# KiCad board DecentXL-keyboard-modern.kicad_pcb (continued)
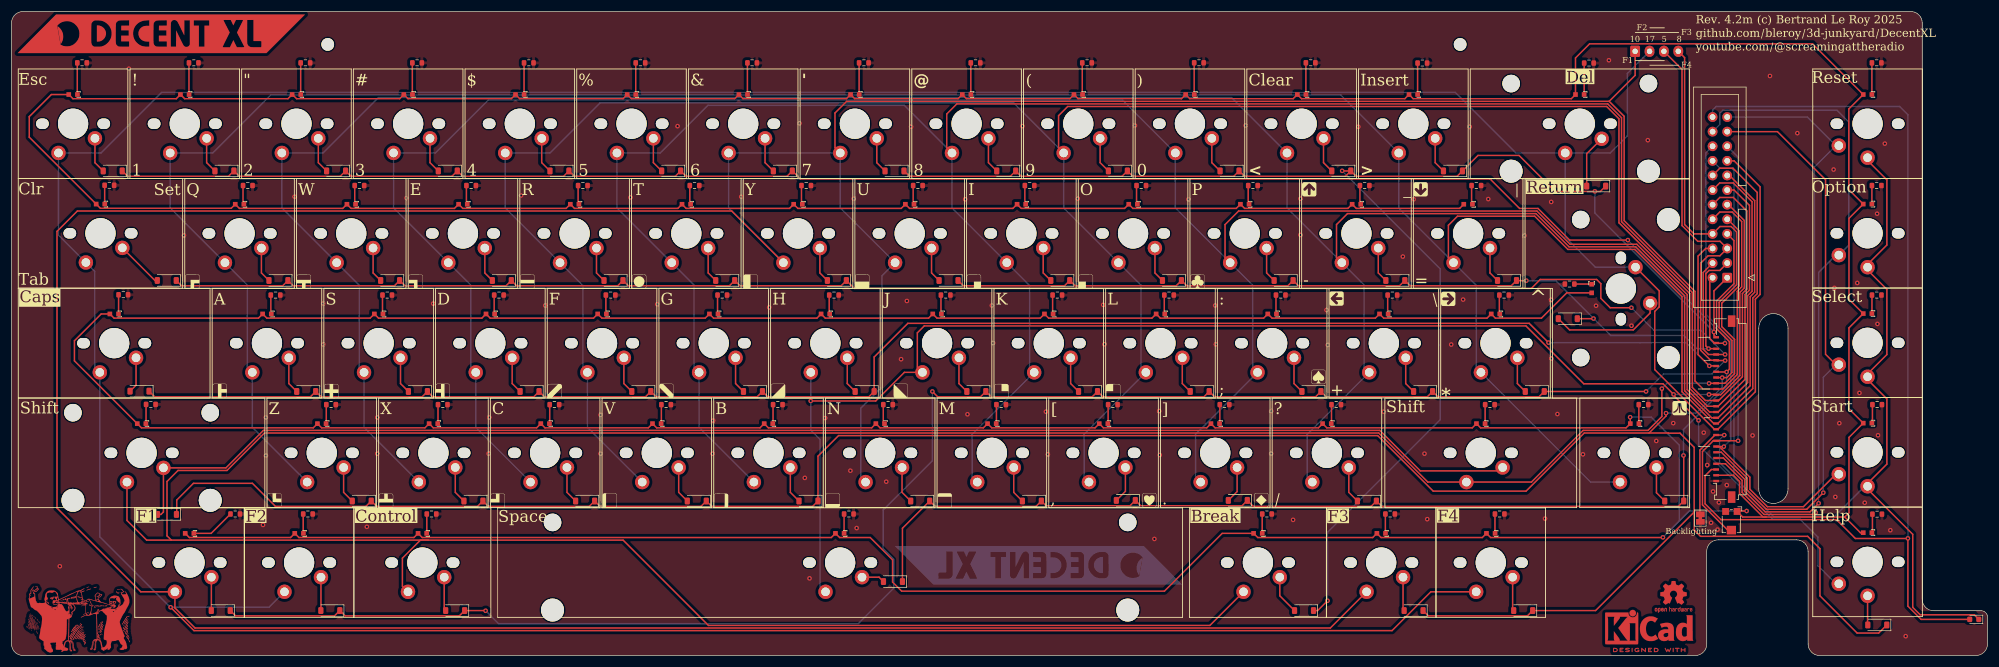
[diagram p0: board, top side]
## Nets (continued)
Net-(R18-Pad1): R18.1 SWM1.3
Net-(R19-Pad1): R19.1 SWB1.3
Net-(R20-Pad1): R20.1 SW9.3
Net-(R21-Pad1): R21.1 SW4.3
Net-(R22-Pad1): R22.1 SWO1.3
Net-(R23-Pad1): R23.1 SWR1.3
Net-(R24-Pad1): R24.1 SWL1.3
Net-(R25-Pad1): R25.1 SWF1.3
Net-(R26-Pad1): R26.1 SWComma1.3
Net-(R27-Pad1): R27.1 SWV1.3
Net-(R28-Pad1): R28.1 SW0.3
Net-(R29-Pad1): R29.1 SW3.3
Net-(R30-Pad1): R30.1 SWP1.3
Net-(R31-Pad1): R31.1 SWE1.3
Net-(R32-Pad1): R32.1 SWSemi1.3
Net-(R33-Pad1): R33.1 SWD1.3
Net-(R34-Pad1): R34.1 SWPeriod1.3
Net-(R35-Pad1): R35.1 SWC1.3
Net-(R36-Pad1): R36.1 SWLT1.3
Net-(R37-Pad1): R37.1 SW2.3
Net-(R38-Pad1): R38.1 SWDash1.3
Net-(R39-Pad1): R39.1 SWW1.3
Net-(R40-Pad1): R40.1 SWPlus1.3
Net-(R41-Pad1): R41.1 SWS1.3
Net-(R42-Pad1): R42.1 SWSlash1.3
Net-(R43-Pad1): R43.1 SWX1.3
Net-(R44-Pad1): R44.1 SWGT1.3
Net-(R45-Pad1): R45.1 SW1.3
Net-(R46-Pad1): R46.1 SWEqual1.3
Net-(R47-Pad1): R47.1 SWQ1.3
Net-(R48-Pad1): R48.1 SWStar1.3
Net-(R49-Pad1): R49.1 SWA1.3
Net-(R50-Pad1): R50.1 SWInv1.3
Net-(R51-Pad1): R51.1 SWZ1.3
Net-(R52-Pad1): R52.1 SWEsc1.3
Net-(R53-Pad1): R53.1 SWDel1.3
Net-(R54-Pad1): R54.1 SWRet2.3
Net-(R55-Pad1): R55.1 SWTab1.3
Net-(R56-Pad1): R56.1 SWFn2.3
Net-(R57-Pad1): R57.1 SWCps1.3
Net-(R58-Pad1): R58.1 SWFn4.3
Net-(R59-Pad1): R59.1 SWBrk1.3
Net-(R60-Pad1): R60.1 SWCtl1.3
Net-(R61-Pad1): R61.1 SWRightSft1.3
Net-(R63-Pad1): R63.1 SWLeftSft1.3
Net-(R64-Pad1): R64.1 SWStart1.3
Net-(R65-Pad1): R65.1 SWSelect1.3
Net-(R67-Pad1): R67.1 SWOption1.3
Net-(R68-Pad1): R68.1 SWReset1.3

Pads without a net: J2 MP; RV1 3

## Via types
v1: diameter 0.8, hole 0.4, Top to Bottom, 147 vias

## Routing (per net, layer and track width the routed paths; a pad name or vN(x,y) marks a point on that pad's centre or on a via; arc(x,y) is an arc through that point)
GND: length 214.9
  Top w0.25: v1(297.75,38.33) 296.36,38.33 ; 293.52,24.63 293.52,35.72 296.14,38.35 ; D0.1 341.21,7.08 331.81,7.08 330.52,8.38 330.52,21.08 322.17,29.43 326.02,33.28 326.02,44.62 322.17,48.48 326.02,52.33 326.02,63.67 322.17,67.53 326.02,71.38 326.02,82.72 322.17,86.58
  Bottom w0.25: 300.17,30.33 296.95,33.56 296.95,37.53 v1(297.75,38.33) ; 300.17,30.33 299.44,31.07 299.44,84.35 299.03,84.76 296.99,84.76 J1.18 ; 300.17,30.33 306.37,24.14 316.87,24.14 322.17,29.43
VCC_LED: length 1596
  Top w0.25: SW2.4 48.06,96.84 30.1,96.84 SW1.4 28.65,96.84 10.68,96.84 SWEsc1.4 6.93,97.56 3.09,93.72 3.09,90.14 SWTab1.4 15.44,77.78 38.2,77.78 SWQ1.4 39.62,77.75 57.59,77.75 SWW1.4 59.04,77.75 77.01,77.75 SWE1.4 78.46,77.75 96.42,77.75 SWR1.4 97.87,77.75 115.84,77.75 SWT1.4 117.29,77.75 135.25,77.75 SWY1.4 136.7,77.75 154.67,77.75 SWU1.4 156.12,77.75 174.09,77.75 SWI1.4 175.54,77.75 193.5,77.75 SWO1.4 194.95,77.75 212.92,77.75 SWP1.4 214.37,77.75 232.34,77.75 SWDash1.4 233.79,77.75 251.75,77.75 SWEqual1.4 ; SWHlp1.4 321.42,21.36 318.7,24.08 ; v1(281.39,41.45) 281.42,41.42 SWInv1.4 280.69,39.59 255.4,39.59 SWRightSft1.4 253.95,39.59 228.66,39.59 SWSlash1.4 227.21,39.59 209.24,39.59 SWPeriod1.4 207.79,39.59 189.82,39.59 SWComma1.4 188.37,39.59 170.41,39.59 SWM1.4 168.96,39.59 150.99,39.59 SWN1.4 149.54,39.59 131.58,39.59 SWB1.4 130.13,39.59 112.16,39.59 SWV1.4 110.71,39.59 92.74,39.59 SWC1.4 91.29,39.59 73.33,39.59 SWX1.4 71.88,39.59 53.91,39.59 SWZ1.4 52.46,39.59 22.59,39.59 SWLeftSft1.4 10.94,51.24 10.94,54.74 15.6,59.4 SWCps1.4 17.82,58.67 42.93,58.67 SWA1.4 44.38,58.67 62.35,58.67 SWS1.4 63.8,58.67 81.77,58.67 SWD1.4 83.22,58.67 101.18,58.67 SWF1.4 102.63,58.67 120.6,58.67 SWG1.4 122.05,58.67 140.02,58.67 SWH1.4 141.47,58.67 159.43,58.67 SWJ1.4 160.88,58.67 178.85,58.67 SWK1.4 180.3,58.67 198.27,58.67 SWL1.4 199.72,58.67 217.68,58.67 SWSemi1.4 219.13,58.67 237.1,58.67 SWPlus1.4 238.55,58.67 256.51,58.67 SWStar1.4 257.96,58.67 265.98,58.67 270.37,63.06 SWRet2.4 ; J2.25 299.33,31.35 300.41,30.27 300.41,28.17 304.5,24.08 305.01,24.08 ; 305.01,24.08 318.7,24.08 ; 305.01,24.08 300.97,24.08 RV1.1 ; v1(301.65,25.13) 300.08,25.13 ; 318.7,24.08 319.44,24.82 319.44,37.93 SWStart1.4 319.43,42.9 319.43,56.97 SWSelect1.4 319.44,61.94 319.44,76.03 SWOption1.4 319.41,81.02 319.41,95.05 SWReset1.4 313.1,106.38 274.34,106.38 271.89,103.92 SWDel1.4 271.17,96.84 243.68,96.84 SWGT1.4 242.23,96.84 224.26,96.84 SWLT1.4 222.81,96.84 204.84,96.84 SW0.4 203.39,96.84 185.43,96.84 SW9.4 183.98,96.84 166.01,96.84 SW8.4 164.56,96.84 146.6,96.84 SW7.4 145.15,96.84 127.18,96.84 SW6.4 125.73,96.84 107.76,96.84 SW5.4 106.31,96.84 88.35,96.84 SW4.4 86.9,96.84 68.93,96.84 SW3.4 67.48,96.84 49.56,96.84 48.84,97.56 ; SWFn1.4 30.92,20.52 48.52,20.52 SWFn2.4 49.97,20.52 69.95,20.52 SWCtl1.4 71.4,20.52 142.52,20.52 SWSpc1.4 143.97,20.52 149.28,20.52 153.17,16.63 153.17,12.77 154.75,11.19 200.43,11.19 210.48,21.24 SWBrk1.4 216.66,20.52 236.64,20.52 SWFn3.4 238.09,20.52 255.69,20.52 SWFn4.4 257.14,20.52 287.06,20.52 v1(287.09,20.55)
  Bottom w0.25: v1(287.09,20.55) 289.96,23.42 ; 289.96,23.42 291.68,25.13 v1(301.65,25.13) ; 289.96,23.42 289.94,23.44 289.94,36.58 285.07,41.45 v1(281.39,41.45)
COL_1: length 777
  Top w0.25: J3.1 282.26,100.9 277.75,96.38 ; J1.10 296.98,77.12 299.14,77.12 300.79,75.47 300.79,64.1 300.01,63.33 300.01,48.86 297.5,46.35 J2.10 294.07,46.35 292.66,47.75 292.66,63.32 280.35,75.63 280.35,93.78 277.75,96.38 ; SW7.1 143.16,88.32 143.16,94.35 145.19,96.38 277.75,96.38 ; SWY1.1 125.2,77.31 11.45,77.31 7.91,73.76 7.91,25.65 22.48,11.08 SWFn1.1 28.41,8.28 31.9,4.78 229.28,4.78 SWFn3.1
  Bottom w0.25: SWN1.1 147.64,31 147.64,43.01 151.33,46.7 151.33,60.73 151.19,60.87 151.33,61.01 151.33,66.04 SWU1.1 144.08,77.84 SW7.1 SW6.1 124.66,77.84 SWY1.1
COL_2: length 296.3
  Top w0.25: v1(138.94,44.27) 150.24,44.27 155.22,49.24 SWJ1.1 157.48,50.13 157.48,56.12 158.68,57.32 263.27,57.32 273.34,47.25 287.11,47.25 v1(288.95,45.41) 288.95,45.24 v1(293.29,40.9) ; v1(295.1,45.4) 296.29,45.4 ; J2.11 297.14,45.35 300.46,48.67 300.46,63.14 301.24,63.92 301.24,75.65 298.49,78.41
  Bottom w0.25: v1(295.1,45.4) 295.09,45.41 v1(288.95,45.41) ; SWSpc1.1 140.56,12.04 140.56,37.57 138.95,39.18 SWH1.1 ; v1(293.29,40.9) 293.29,36.58 306.19,23.69 310.94,23.69 314.04,20.58 314.04,15.61 317.17,12.48
COL_3: length 426.4
  Top w0.25: SW8.1 162.59,88.31 162.59,94.18 164.34,95.93 277.49,95.93 279.9,93.53 279.9,75.45 292.21,63.13 292.21,46.61 294.47,44.35 J2.12 296.78,44.35 300.91,48.49 300.91,62.95 301.69,63.73 301.69,77.3 299.33,79.66 296.98,79.66 J1.12
  Bottom w0.25: SWB1.1 119.54,39.69 SWG1.1 118.65,50.13 118.65,64.44 SWT1.1 105.25,77.84 SW5.1 112.79,87.4 121.07,95.68 155.22,95.68 SW8.1 163.5,77.84 SWI1.1 176.99,64.35 176.99,50.04 SWK1.1 167.01,38.46 167.01,31.04 SWM1.1
COL_4: length 444.1
  Top w0.25: J2.13 294.84,43.35 291.76,46.42 291.76,62.95 279.45,75.26 279.45,93.34 277.31,95.48 183.62,95.48 182.03,93.89 182.03,88.28 SW9.1 ; 296.69,43.35 301.36,48.02 301.36,62.77 302.14,63.54 302.14,78.27 299.47,80.95 J1.13
  Bottom w0.25: SWF1.1 100.12,39.69 SWV1.1 ; SWComma1.1 186.48,30.99 186.48,38.52 SWL1.1 196.36,50.08 196.36,64.4 SWO1.1 182.91,77.84 SW9.1 174.18,96.13 102.35,96.13 93.62,87.4 SW4.1 85.83,77.84 SWR1.1 99.33,64.35 99.33,50.03
COL_5: length 443.9
  Top w0.25: J1.14 296.96,82.18 299.33,82.18 302.59,78.92 302.59,63.36 301.81,62.58 301.81,47.47 296.69,42.35 ; J2.14 295.2,42.35 291.31,46.24 291.31,62.76 282.55,71.52 270.96,71.52 265.18,77.3 213.33,77.3 210.97,74.94 210.97,69.21 SWP1.1
  Bottom w0.25: SWC1.1 80.7,39.69 SWD1.1 79.84,50.1 79.84,64.42 SWE1.1 66.42,77.84 SW3.1 73.69,87.4 82.87,96.58 193.15,96.58 SW0.1 202.33,77.84 SWP1.1 215.77,64.41 215.77,50.09 SWSemi1.1 205.84,38.46 205.84,31.05 SWPeriod1.1
COL_6: length 462.6
  Top w0.25: SWDash1.1 230.35,69.24 230.35,74.95 232.25,76.85 265,76.85 270.78,71.07 282.36,71.07 290.86,62.57 290.86,46.05 295.57,41.35 J2.15 ; 296.69,41.35 302.26,46.92 302.26,62.4 303.04,63.17 303.04,79.1 298.66,83.49
  Bottom w0.25: SWX1.1 61.29,39.69 SWS1.1 60.47,50.06 60.47,64.38 SWW1.1 47,77.84 SW2.1 54.16,87.4 63.79,97.03 212.12,97.03 SWLT1.1 221.75,77.84 SWDash1.1 235.14,64.45 235.14,50.13 SWPlus1.1 225.26,38.47 225.26,31.04 SWSlash1.1
COL_7: length 495.8
  Top w0.25: SWEqual1.1 249.8,69.21 249.8,74.82 251.38,76.4 264.8,76.4 270.58,70.62 282.18,70.62 290.41,62.39 290.41,45.86 295.93,40.35 J2.16 ; J1.16 296.99,84.75 299.27,84.75 303.49,80.53 303.49,62.93 302.71,62.16 302.71,46.42 296.64,40.35
  Bottom w0.25: SWZ1.1 41.87,39.69 SWA1.1 41,50.11 41,64.43 SWQ1.1 27.58,77.84 SW1.1 34.98,87.4 45.06,97.48 231.08,97.48 SWGT1.1 241.16,77.84 SWEqual1.1 254.66,64.35 254.66,50.03 ; SWStar1.1 274.53,30.16 SWInv1.1
COL_8: length 754.7
  Top w0.25: SWFn4.1 246.75,11.08 240,4.33 31.72,4.33 v1(27.66,8.39) ; SWRet2.1 286.44,63.42 286.44,60.62 285.67,59.85 285.67,49.71 296.04,39.35 ; 296.64,39.35 303.16,45.87 303.16,61.97 303.99,62.79 303.99,81.51 299.47,86.03 J1.17
  Bottom w0.25: J3.2 280.92,101.23 280.92,90.39 277.93,87.4 SWDel1.1 ; SWRet2.1 275.34,67.53 270.1,72.78 SWDel1.1 ; SWDel1.1 261.53,87.4 251,97.93 26.1,97.93 15.57,87.4 SWEsc1.1 8.17,73.11 SWTab1.1 14.46,66.82 14.46,50.13 SWCps1.1 15.35,20.63 27.59,8.39 ; SWFn2.1 44.77,8.39 v1(27.66,8.39)
COL_9: length 553.4
  Top w0.25: SWLeftSft1.1 20.07,23.49 23.49,20.06 27.79,20.06 ; v1(286.91,46.41) 286.91,41.56 284.49,39.14 273.22,39.14 264.24,30.16 SWRightSft1.1 246.22,30.16 237.69,38.69 43.97,38.69 37.46,32.18 28.95,32.18 27.04,30.27 27.04,20.82 27.79,20.06 ; 72.49,20.06 71.09,20.06 67.96,16.93 67.96,12.05 SWCtl1.1 ; 72.49,20.06 27.79,20.06 ; 72.49,20.06 106.32,20.06 121.16,5.23 208.33,5.23 SWBrk1.1 ; v1(295.11,47.33) 296.32,47.33 ; J2.9 297.87,47.35 299.54,49.02 299.54,54.97 297.31,57.2 297.31,61.26 300.34,64.29 300.34,73.85 298.33,75.87
  Bottom w0.25: v1(295.11,47.33) 287.83,47.33 v1(286.91,46.41)
LED_GND:
  vias: v1(8.4,15.52) v1(20.42,102.05) v1(29.98,73.06) v1(43.73,22.71) v1(44.22,41.42) v1(44.23,34.76) v1(49.21,79.78) v1(54.19,61.2) v1(54.19,54.12) v1(61.78,22.38) v1(63.59,41.4) v1(63.59,35.1) v1(68.68,79.56) v1(73.32,61.2) v1(82.95,35.1) v1(83.06,41.4) v1(88.59,80) v1(92.79,60.87) v1(102.41,41.84) v1(102.41,35.1) v1(107.61,79.67) v1(112.26,61.09) v1(115.79,92.06) v1(121.88,35.1) v1(121.99,40.85) v1(126.86,79.78) v1(131.72,60.53) v1(136.98,92.56) v1(137.92,30.89) v1(138.74,13.42) v1(141.46,41.29) v1(145.84,32.14) v1(146.43,79.45) v1(146.93,22.16) v1(152.07,30.23) v1(154.65,51.53) v1(155.66,61.66) v1(156.39,91.95) v1(165.79,79.34) v1(166.19,41.95) v1(170.43,60.87) v1(170.65,54.34) v1(175.74,92.06) v1(179.83,42.4) v1(180.17,34.99) v1(185.37,79.45) v1(189.79,60.98) v1(190.01,54.12) v1(195.32,92.17) v1(198.69,20.27) v1(199.52,42.51) v1(199.63,34.87) v1(204.61,79.34) v1(209.26,60.87) v1(209.37,54.12) v1(214.56,92.17) v1(218.99,42.51) v1(218.99,35.1) v1(222.8,23.59) v1(224.08,79.45) v1(224.08,73.14) v1(228.61,60.09) v1(228.83,54.01) v1(234.14,91.95) v1(238.57,42.4) v1(241.88,69.38) v1(243.76,79.34) v1(245.64,35.1) v1(246.12,23.71) v1(250.29,54.08) v1(252.36,61.9) v1(253.5,91.95) v1(256.73,79.38) v1(263.01,73.03) v1(266.6,23.81) v1(267.67,78.88) v1(267.65,61.86) v1(267.69,51.64) v1(268.75,41.99) v1(273.19,34.99) v1(275.47,60.83) v1(277.7,103.52) v1(281.63,57.35) v1(284.47,89.62) v1(285.94,37.31) v1(288.89,40.41) v1(294.19,38.76) v1(294.79,33.12) v1(295.46,23.08) v1(295.81,28.53) v1(296.58,21.89) v1(296.82,26.62) v1(298.2,29.64) v1(302.68,38.27) v1(305.7,100.79) v1(310.46,90.84) v1(316.77,84.51) v1(316.91,63.93) v1(317.06,27.58) v1(317.76,40.4) v1(320.88,64.79) v1(321.26,45.66) v1(322.18,26.57) v1(324.33,76.83) v1(324.39,57.67) v1(324.49,38.3) v1(325.67,89.02) v1(326.63,21.79) v1(329.3,3.36)
OPTION: length 119
  Top w0.25: v1(314.16,26.47) 312.67,24.98 304.88,24.98 301.31,28.55 301.31,30.64 297.61,34.35 J2.22
  Bottom w0.25: SWOption1.1 319.4,71.36 319.4,92.77 317.35,94.82 297.51,94.82 296.97,94.28 296.97,92.35 J1.22 ; v1(314.16,26.47) 314.16,66.63 317.17,69.63
POWER: length 74.5
  Top w0.25: v1(300.17,37.34) 300.16,37.35 J2.19 295.84,37.35 293.97,35.47 293.97,26.19 298.36,21.8
  Bottom w0.25: J1.19 300.17,86.67 v1(300.17,37.34)
PWR_LED: length 178.2
  Top w0.25: J2.24 295.51,32.35 294.42,31.25 294.42,26.38 297.17,23.63 317.27,23.63 320.55,20.35 329.66,20.35 v1(329.68,20.37) 329.68,8.58 331.98,6.28 D0.2
  Bottom w0.25: J1.24 295.73,94.85 296.36,95.48 328.25,95.48 329.68,94.05 v1(329.68,20.37)
RESET: length 108.7
  Top w0.25: v1(313.64,24.86) 313.31,24.53 304.69,24.53 300.86,28.36 300.86,30.46 297.97,33.35 J2.23
  Bottom w0.25: J1.23 312.2,93.65 317.17,88.68 313.44,84.95 313.44,25.06 v1(313.64,24.86)
ROW_1: length 269.2
  Top w0.25: D36.1 231.9,83.34 214.33,83.34 D28.1 212.48,83.34 194.92,83.34 D20.1 193.07,83.34 175.5,83.34 D12.1 173.65,83.34 156.09,83.34 D1.1 ; D36.1 233.75,83.34 251.32,83.34 D44.1 254.94,86.97 262.08,86.97 268.34,80.71 276.21,80.71 D52.1 ; D36.1 231.35,84.27 v1(231.33,84.29) ; J2.1 295.96,55.72 v1(295.96,56.25) 295.96,63.4 J1.1 ; v1(228.78,9.52) 227.07,7.82 D59.1
  Bottom w0.25: v1(231.33,84.29) 248.39,67.23 248.39,60.29 248.3,60.2 248.39,60.11 248.39,54.1 248.3,54.01 248.39,53.92 248.39,41.03 228.78,21.42 v1(228.78,9.52) ; v1(275.26,80.72) 275.26,76.96 v1(295.96,56.25)
ROW_2: length 309
  Top w0.25: v1(281,72.25) 270.88,72.25 265.37,77.75 262.17,77.75 257.02,82.9 137.12,82.9 D2.1 134.82,83.34 117.25,83.34 D13.1 115.4,83.34 97.84,83.34 D21.1 95.99,83.34 78.42,83.34 D29.1 76.57,83.34 59,83.34 D37.1 57.15,83.34 39.59,83.34 D45.1 37.74,83.34 20.17,83.34 D53.1 ; 296.04,54.35 295.24,55.15 295.24,65.22 ; v1(297.88,54.3) 296.39,54.3
  Bottom w0.25: v1(281,72.25) 297.88,55.36 v1(297.88,54.3)
ROW_3: length 161
  Top w0.25: 296.33,53.36 v1(295.03,53.36) 294.55,53.84 294.55,66.41 295.11,66.97 296.99,66.97 J1.3 ; D54.1 275.01,58.58 v1(275.03,58.6) ; D46.1 260.72,64.3 243.15,64.3 D38.1 241.3,64.3 223.73,64.3 D30.1 221.88,64.3 204.32,64.3 D22.1 202.47,64.3 184.9,64.3 D14.1 183.05,64.3 165.48,64.3 D3.1 ; v1(263.35,65.19) 261.67,65.19
  Bottom w0.25: v1(295.03,53.36) 293.03,53.36 290.73,55.66 278,55.66 268.47,65.19 v1(263.35,65.19)
ROW_4: length 301.8
  Top w0.25: J1.4 294.1,66.62 294.1,53.26 295.02,52.35 J2.4 ; D55.1 29.57,64.3 47.14,64.3 D47.1 48.99,64.3 66.55,64.3 D39.1 68.4,64.3 85.97,64.3 D31.1 87.82,64.3 105.38,64.3 D23.1 107.23,64.3 124.8,64.3 D15.1 126.65,64.3 144.22,64.3 D4.1 146.52,63.84 264.21,63.84 265.77,65.4 275.57,65.4 276.3,64.67 276.3,62.11 277.93,60.48 v1(281.61,60.48) ; v1(297.9,52.35) 296.34,52.35
  Bottom w0.25: v1(297.9,52.35) 293.67,56.58 285.51,56.58 v1(281.61,60.48)
ROW_5: length 370.4
  Top w0.25: J2.5 295.38,51.35 293.65,53.08 293.65,68.22 294.94,69.51 296.99,69.51 J1.5 297.02,72.03 293.15,72.03 290.41,74.77 290.41,101.93 J3.3 ; v1(297.92,51.3) 296.39,51.3 ; v1(160.09,45.92) 161.02,44.99 168.46,44.99 D8.1 170.31,44.99 187.88,44.99 D16.1 189.73,44.99 207.29,44.99 D24.1 209.14,44.99 226.71,44.99 D32.1 228.56,44.99 246.12,44.99 D40.1 247.97,44.99 265.54,44.99 D48.1 284.15,45.92 v1(284.16,45.92) ; D5.1 38.95,6.89 56.15,6.89 D56.1 58.01,6.89 77.85,6.89 D60.1 82.39,7.82 v1(82.42,7.78)
  Bottom w0.25: v1(297.92,51.3) 295.59,48.97 287.21,48.97 v1(284.16,45.92) ; v1(160.09,45.92) 160.09,33.85 151.54,25.3 151.54,18.59 153.37,16.76 153.37,11.71 147.19,5.54 84.67,5.54 v1(82.42,7.78)
ROW_6: length 311.5
  Top w0.25: 296.32,50.37 v1(295.16,50.37) 293.2,52.33 293.2,69.46 294.52,70.79 J1.6 ; D57.1 24.89,44.99 51.96,44.99 D49.1 53.81,44.99 71.38,44.99 D41.1 73.23,44.99 90.79,44.99 D33.1 92.64,44.99 110.21,44.99 D25.1 112.06,44.99 129.63,44.99 D17.1 131.48,44.99 149.04,44.99 D9.1 149.97,51.91 155.83,57.77 263.84,57.77 v1(267.21,54.41)
  Bottom w0.25: v1(267.21,54.41) 283.12,54.41 283.12,54.41 291.12,54.41 v1(295.16,50.37)
ROW_7: length 205.1
  Top w0.25: J1.7 299.44,72.15 299.44,64.66 296.41,61.63 296.41,56.83 298.64,54.6 298.64,49.78 v1(298.17,49.31) 296.38,49.31 ; v1(290.67,34.79) 290.71,34.75 D50.1 289.78,25.94 238.21,25.94 D42.1 236.36,25.94 215.88,25.94 D34.1 213.92,26.05 196.3,26.05 D26.1 194.45,26.05 179.85,26.05 D18.1 178.11,25.94 160.54,25.94 D6.1 154.89,22.13 D10.1
  Bottom w0.25: v1(298.17,49.31) 298.17,46.81 290.67,39.31 v1(290.67,34.79)
ROW_8: length 495.7
  Top w0.25: D11.1 324.6,3.9 320.86,3.9 314.4,10.36 314.4,18.58 312.25,20.72 293.63,20.72 292.52,21.83 292.52,24.95 ; 284.68,38.69 287.63,41.65 v1(287.63,42.15) ; 284.68,38.69 288.01,38.69 288.05,38.66 290.07,38.66 292.52,36.2 292.52,24.95 ; 284.68,38.69 273.41,38.69 263.3,28.58 247.16,28.58 237.5,38.25 143.78,38.25 140.2,34.67 D19.1 139.28,25.94 121.71,25.94 D27.1 119.86,25.94 102.3,25.94 D35.1 100.45,25.94 82.88,25.94 D43.1 81.03,25.94 63.46,25.94 D51.1 61.61,25.94 45.88,25.94 41.88,29.94 31.63,29.94 28.73,27.04 28.73,24.59 D61.1 ; 292.52,24.95 275.39,7.82 D58.1 263.53,6.89 246.33,6.89 D7.1 ; J3.4 290.86,103.98 290.86,74.95 292.49,73.33 J1.8 297,74.6 298.96,74.6 299.89,73.67 299.89,64.48 296.86,61.45 296.86,57.02 299.09,54.79 299.09,49.21 298.21,48.33 v1(297.4,48.33) 296.36,48.33
  Bottom w0.25: v1(297.4,48.33) 297.4,46.67 292.87,42.15 v1(287.63,42.15)
SELECT: length 101.8
  Top w0.25: J2.21 297.24,35.35 301.76,30.83 301.76,28.73 305.06,25.43 312.09,25.43 v1(314.98,28.31) ; 317.17,50.58 315.36,52.39 315.36,82.74 307,91.11 J1.21
  Bottom w0.25: 317.17,50.58 314.98,48.39 v1(314.98,28.31)
START: length 85.1
  Top w0.25: v1(297.68,36.32) 296.37,36.32 ; 317.17,31.53 311.52,25.88 305.25,25.88 302.21,28.92 302.21,31.02 296.88,36.35 J2.20
  Bottom w0.25: J1.20 294.55,87.39 294.55,59.33 298.89,54.99 298.89,37.53 v1(297.68,36.32)
Net-(D1-A): length 6.3
  Top w0.25: SW7.2 150.42,85.71 D1.2
Net-(D2-A): length 6.3
  Top w0.25: D2.2 131,85.71 SW6.2
Net-(D3-A): length 6.2
  Top w0.25: SWU1.2 159.95,66.53 D3.2
Net-(D4-A): length 6.2
  Top w0.25: SWY1.2 140.53,66.53 D4.2
Net-(D5-A): length 5.8
  Top w0.25: SWFn1.2 34.75,7.84
Net-(D6-A): length 6.5
  Top w0.25: SWN1.2 154.82,28.37 D6.2
Net-(D7-A): length 5.6
  Top w0.25: SWFn3.2 241.92,8
Net-(D8-A): length 6.4
  Top w0.25: SWJ1.2 164.71,47.29 D8.2
Net-(D9-A): length 6.4
  Top w0.25: SWH1.2 145.29,47.29 D9.2
Net-(D10-A): length 4
  Top w0.25: D10.2 150.83,13.62 SWSpc1.2
Net-(D11-A): length 5.1
  Top w0.25: D11.2 322.67,5.35 SWHlp1.2
Net-(D12-A): length 6.3
  Top w0.25: SW8.2 169.84,85.71 D12.2
Net-(D13-A): length 6.3
  Top w0.25: SW5.2 111.59,85.71 D13.2
Net-(D14-A): length 6.2
  Top w0.25: SWI1.2 179.36,66.53 D14.2
Net-(D15-A): length 6.2
  Top w0.25: D15.2 121.11,66.53 SWT1.2
Net-(D16-A): length 6.4
  Top w0.25: SWK1.2 184.12,47.29 D16.2
Net-(D17-A): length 6.4
  Top w0.25: SWG1.2 125.88,47.29 D17.2
Net-(D18-A): length 6.5
  Top w0.25: D18.2 174.23,28.37 SWM1.2
Net-(D19-A): length 6.5
  Top w0.25: SWB1.2 135.4,28.37 D19.2
Net-(D20-A): length 6.3
  Top w0.25: SW9.2 189.25,85.71 D20.2
Net-(D21-A): length 6.3
  Top w0.25: D21.2 92.17,85.71 SW4.2
Net-(D22-A): length 6.2
  Top w0.25: D22.2 198.78,66.53 SWO1.2
Net-(D23-A): length 6.2
  Top w0.25: D23.2 101.7,66.53 SWR1.2
Net-(D24-A): length 6.4
  Top w0.25: SWL1.2 203.54,47.29 D24.2
Net-(D25-A): length 6.4
  Top w0.25: SWF1.2 106.46,47.29 D25.2
Net-(D26-A): length 6.4
  Top w0.25: D26.2 193.65,28.55 SWComma1.2
Net-(D27-A): length 6.5
  Top w0.25: D27.2 115.98,28.37 SWV1.2
Net-(D28-A): length 6.3
  Top w0.25: D28.2 208.67,85.71 SW0.2
Net-(D29-A): length 6.3
  Top w0.25: SW3.2 72.76,85.71 D29.2
Net-(D30-A): length 6.2
  Top w0.25: D30.2 218.19,66.53 SWP1.2
Net-(D31-A): length 6.2
  Top w0.25: SWE1.2 82.28,66.53 D31.2
Net-(D32-A): length 6.4
  Top w0.25: D32.2 222.96,47.29 SWSemi1.2
Net-(D33-A): length 6.4
  Top w0.25: D33.2 87.04,47.29 SWD1.2
Net-(D34-A): length 6.4
  Top w0.25: D34.2 213.07,28.5 SWPeriod1.2
Net-(D35-A): length 6.5
  Top w0.25: D35.2 96.57,28.37 SWC1.2
Net-(D36-A): length 6.3
  Top w0.25: SWLT1.2 228.09,85.71 D36.2
Net-(D37-A): length 6.3
  Top w0.25: SW2.2 53.34,85.71 D37.2
Net-(D38-A): length 6.2
  Top w0.25: SWDash1.2 237.61,66.53 D38.2
Net-(D39-A): length 6.2
  Top w0.25: SWW1.2 62.86,66.53 D39.2
Net-(D40-A): length 6.4
  Top w0.25: SWPlus1.2 242.37,47.29 D40.2
Net-(D41-A): length 6.4
  Top w0.25: SWS1.2 67.63,47.29 D41.2
Net-(D42-A): length 6.5
  Top w0.25: D42.2 232.48,28.37 SWSlash1.2
Net-(D43-A): length 6.5
  Top w0.25: D43.2 77.15,28.37 SWX1.2
Net-(D44-A): length 6.3
  Top w0.25: D44.2 247.5,85.71 SWGT1.2
Net-(D45-A): length 6.3
  Top w0.25: SW1.2 33.92,85.71 D45.2
Net-(D46-A): length 6.2
  Top w0.25: D46.2 257.03,66.53 SWEqual1.2
Net-(D47-A): length 6.2
  Top w0.25: SWQ1.2 43.45,66.53 D47.2
Net-(D48-A): length 6.4
  Top w0.25: D48.2 261.79,47.29 SWStar1.2
Net-(D49-A): length 6.4
  Top w0.25: D49.2 48.21,47.29 SWA1.2
Net-(D50-A): length 6.4
  Top w0.25: D50.2 285.97,28.31 SWInv1.2
Net-(D51-A): length 6.5
  Top w0.25: SWZ1.2 57.73,28.37 D51.2
Net-(D52-A): length 9.3
  Top w0.25: SWDel1.2 273.84,87.26 D52.2
Net-(D53-A): length 6.3
  Top w0.25: D53.2 14.51,85.71 SWEsc1.2
Net-(D54-A): length 19.7
  Top w0.25: D54.2 270.86,56.62 281.93,56.62 284.87,59.56 284.87,61.28
Net-(D55-A): length 8.4
  Top w0.25: D55.2 24.94,65.22 SWTab1.2
Net-(D56-A): length 5.8
  Top w0.25: SWFn2.2 53.8,7.84
Net-(D57-A): length 6.2
  Top w0.25: D57.2 21.65,47.01 SWCps1.2
Net-(D58-A): length 5.6
  Top w0.25: SWFn4.2 260.97,8
Net-(D59-A): length 6.9
  Top w0.25: SWBrk1.2 220.48,10.38 D59.2
Net-(D60-A): length 5.6
  Top w0.25: SWCtl1.2 75.23,8.07
Net-(D61-A): length 246.7
  Top w0.25: 258.64,32.11 244.91,32.11 237.87,39.14 43.79,39.14 37.27,32.63 SWLeftSft1.2 26.41,24.96 25.99,24.53 D61.2
Net-(R1-Pad1): length 5.5
  Top w0.25: R1.1 147.35,97.58
Net-(R2-Pad1): length 5.5
  Top w0.25: R2.1 127.93,97.58
Net-(R3-Pad1): length 3.1
  Top w0.25: R3.1 156.75,78.63
Net-(R4-Pad1): length 3.1
  Top w0.25: R4.1 137.33,78.63
Net-(R5-Pad1): length 7.8
  Top w0.25: SWFn1.3 34.7,21.24 R5.1
Net-(R6-Pad1): length 3.1
  Top w0.25: R6.1 151.56,40.53
Net-(R7-Pad1): length 3.3
  Top w0.25: R7.1 238.84,21.26
Net-(R8-Pad1): length 3.2
  Top w0.25: R8.1 161.58,59.48
Net-(R9-Pad1): length 3.2
  Top w0.25: R9.1 142.16,59.48
Net-(R10-Pad1): length 3.4
  Top w0.25: R10.1 SWSpc1.3
Net-(R11-Pad1): length 3.3
  Top w0.25: R11.1 323.52,21.46 SWHlp1.3
Net-(R12-Pad1): length 5.5
  Top w0.25: R12.1 166.77,97.58
Net-(R13-Pad1): length 5.5
  Top w0.25: R13.1 108.52,97.58
Net-(R14-Pad1): length 3.1
  Top w0.25: R14.1 176.17,78.63
Net-(R15-Pad1): length 3.1
  Top w0.25: R15.1 117.92,78.63
Net-(R16-Pad1): length 3.2
  Top w0.25: R16.1 180.99,59.48
Net-(R17-Pad1): length 3.2
  Top w0.25: R17.1 122.74,59.48
Net-(R18-Pad1): length 3.3
  Top w0.25: R18.1 171.23,40.36
Net-(R19-Pad1): length 3.3
  Top w0.25: R19.1 132.39,40.36
Net-(R20-Pad1): length 5.5
  Top w0.25: R20.1 186.15,97.62
Net-(R21-Pad1): length 5.5
  Top w0.25: R21.1 89.1,97.58
Net-(R22-Pad1): length 3.1
  Top w0.25: R22.1 195.58,78.63
Net-(R23-Pad1): length 3.1
  Top w0.25: R23.1 98.5,78.63
Net-(R24-Pad1): length 3.2
  Top w0.25: R24.1 200.41,59.48
Net-(R25-Pad1): length 3.2
  Top w0.25: R25.1 103.33,59.48
Net-(R26-Pad1): length 3.3
  Top w0.25: R26.1 190.64,40.36
Net-(R27-Pad1): length 3.3
  Top w0.25: R27.1 112.98,40.36
Net-(R28-Pad1): length 5.5
  Top w0.25: R28.1 205.6,97.58
Net-(R29-Pad1): length 5.5
  Top w0.25: R29.1 69.69,97.58
Net-(R30-Pad1): length 3.1
  Top w0.25: R30.1 215,78.63
Net-(R31-Pad1): length 3.1
  Top w0.25: R31.1 79.08,78.63
Net-(R32-Pad1): length 3.2
  Top w0.25: R32.1 219.82,59.48
Net-(R33-Pad1): length 3.2
  Top w0.25: R33.1 83.91,59.48
Net-(R34-Pad1): length 3.3
  Top w0.25: R34.1 210.06,40.36
Net-(R35-Pad1): length 3.3
  Top w0.25: R35.1 93.56,40.36
Net-(R36-Pad1): length 5.5
  Top w0.25: R36.1 225.02,97.57
Net-(R37-Pad1): length 5.5
  Top w0.25: R37.1 50.27,97.58
Net-(R38-Pad1): length 3.1
  Top w0.25: R38.1 234.41,78.63
Net-(R39-Pad1): length 3.1
  Top w0.25: R39.1 59.67,78.63
Net-(R40-Pad1): length 3.2
  Top w0.25: R40.1 239.24,59.48
Net-(R41-Pad1): length 3.2
  Top w0.25: R41.1 64.49,59.48
Net-(R42-Pad1): length 3.3
  Top w0.25: R42.1 229.48,40.36
Net-(R43-Pad1): length 3.3
  Top w0.25: R43.1 74.15,40.36
Net-(R44-Pad1): length 5.5
  Top w0.25: R44.1 244.44,97.57
Net-(R45-Pad1): length 5.5
  Top w0.25: R45.1 30.85,97.58
Net-(R46-Pad1): length 3.1
  Top w0.25: R46.1 253.83,78.63
Net-(R47-Pad1): length 3.1
  Top w0.25: R47.1 40.25,78.63
Net-(R48-Pad1): length 3.2
  Top w0.25: R48.1 258.66,59.48
Net-(R49-Pad1): length 3.2
  Top w0.25: R49.1 45.08,59.48
Net-(R50-Pad1): length 3.3
  Top w0.25: R50.1 282.9,40.34
Net-(R51-Pad1): length 3.3
  Top w0.25: R51.1 54.73,40.36
Net-(R52-Pad1): length 5.5
  Top w0.25: R52.1 11.44,97.58
Net-(R53-Pad1): length 5.5
  Top w0.25: R53.1 273.4,97.57
Net-(R54-Pad1): length 3
  Top w0.25: R54.1 274.67,64.6
Net-(R55-Pad1): length 3.2
  Top w0.25: R55.1 16.19,78.53
Net-(R56-Pad1): length 3.3
  Top w0.25: R56.1 50.71,21.27
Net-(R57-Pad1): length 3.3
  Top w0.25: R57.1 18.61,59.41
Net-(R58-Pad1): length 3.3
  Top w0.25: R58.1 257.89,21.26
Net-(R59-Pad1): length 3.4
  Top w0.25: R59.1 217.43,21.24
Net-(R60-Pad1): length 3.4
  Top w0.25: R60.1 72.19,21.25
Net-(R61-Pad1): length 3.3
  Top w0.25: R61.1 256.19,40.33
Net-(R63-Pad1): length 3.3
  Top w0.25: R63.1 23.39,40.35
Net-(R64-Pad1): length 3.3
  Top w0.25: SWStart1.3 323.52,40.51 R64.1
Net-(R65-Pad1): length 3.2
  Top w0.25: SWSelect1.3 323.43,59.47 R65.1
Net-(R67-Pad1): length 3.2
  Top w0.25: SWOption1.3 323.42,78.51 R67.1
Net-(R68-Pad1): length 5.5
  Top w0.25: R68.1 323.42,97.56 SWReset1.3

## Copper pours and planes (outline as drawn; the poured copper is in the pictures)
LED_GND on Top, Bottom: -1.04,112.8 344.4,112.8 344.4,-1.5 -1.04,-1.5

## Text on the board
B.Silkscreen: 16 - COL 7 | 15 - COL 6 | 14 - COL 5 | 13 - COL 4 | 12 - COL 3 | 11 - COL 2 | 10 - COL 1 | 17 - COL 8 | 2 - ROW 2 | 4 - ROW 4 | 6 - ROW 6 | 8 - ROW 8 | F1 | F2 | F4 | (6,17) | 22 OPTION | 24 POW LED | 20 START | 18 GND | 16 COL 7 | 14 COL 5 | 12 COL 3 | 10 C1 | R8 | ROW 6 | ROW 4 | ROW 2 | (8,9) | (5,10) | (5,17) | (5,9) | (7,11) | (1,9) | (8,10) | (8,17) | (18,22) | (18,21) | (18,23) | (18,20) | (8,11) | 10 | 17 | 5 | 8 | 3 - ROW 3 | 5 - ROW 5 | 1 - ROW1 | 7 - ROW 7 | F3 | (3,17) | RESET 23 | SELECT 21 | 5V 19 | COL 8 17 | COL 6 15 | COL 4 13 | COL 2 11 | COL 9 9 | ROW 7 | ROW 5 | ROW 3 | ROW 1 | Rev. 4.2m (c) Bertrand Le Roy 2025 / github.com/bleroy/3d-junkyard/DecentXL / atariage.com/forums/profile/76850-screamingattheradio/ / youtube.com/@screamingattheradio | Del | Set | _ | \ | | | ^ | Caps | Control | Space | Break | Return | Reset | Option | Select | Start | Help | Esc | Clr | Shift | ! | Q | A | {dblquote} | Z | W | S | # | X | E | D | $ | C | R | F | % | V | T | G | & | B | Y | H | N | U | J | M | I | K | ( | [ | O | L | ) | ] | P | : | Clear | ? | Insert | 1 | 2 | 3 | 4 | 6 | 7 | 9 | 0 | Tab | , | . | ; | / | - | + | = | ' | @ | < | > | *
F.Silkscreen: F3 | F4 | 10 | 17 | 5 | 8 | F1 | F2 | Backlighting | Rev. 4.2m (c) Bertrand Le Roy 2025 / github.com/bleroy/3d-junkyard/DecentXL / youtube.com/@screamingattheradio | Esc | Clr | Caps | Shift | ! | Q | A | {dblquote} | Z | W | S | # | X | E | D | $ | C | R | F | % | V | T | G | & | B | Y | H | N | U | J | M | I | K | ( | [ | O | L | ) | ] | P | : | Clear | ? | Insert | Return | 1 | 2 | 3 | Control | 4 | Space | 6 | 7 | 9 | 0 | Break | Option | Select | Start | Help | Reset | Tab | , | . | ; | / | - | + | = | Del | Set | _ | \ | | | ' | @ | < | > | * | ^
